# Altium PCB AVALON_hashunit.PcbDoc (part 3 of 5)
Units mm, origin at the board's own origin, x right, y up, seen from the top; angles counter-clockwise.
Board outline 138.43 x 38.1 mm, 4 copper layers (Top Layer, Mid-Layer 1, Mid-Layer 2, Bottom Layer); 220 components, 79 nets, 967 pads, 761 vias.
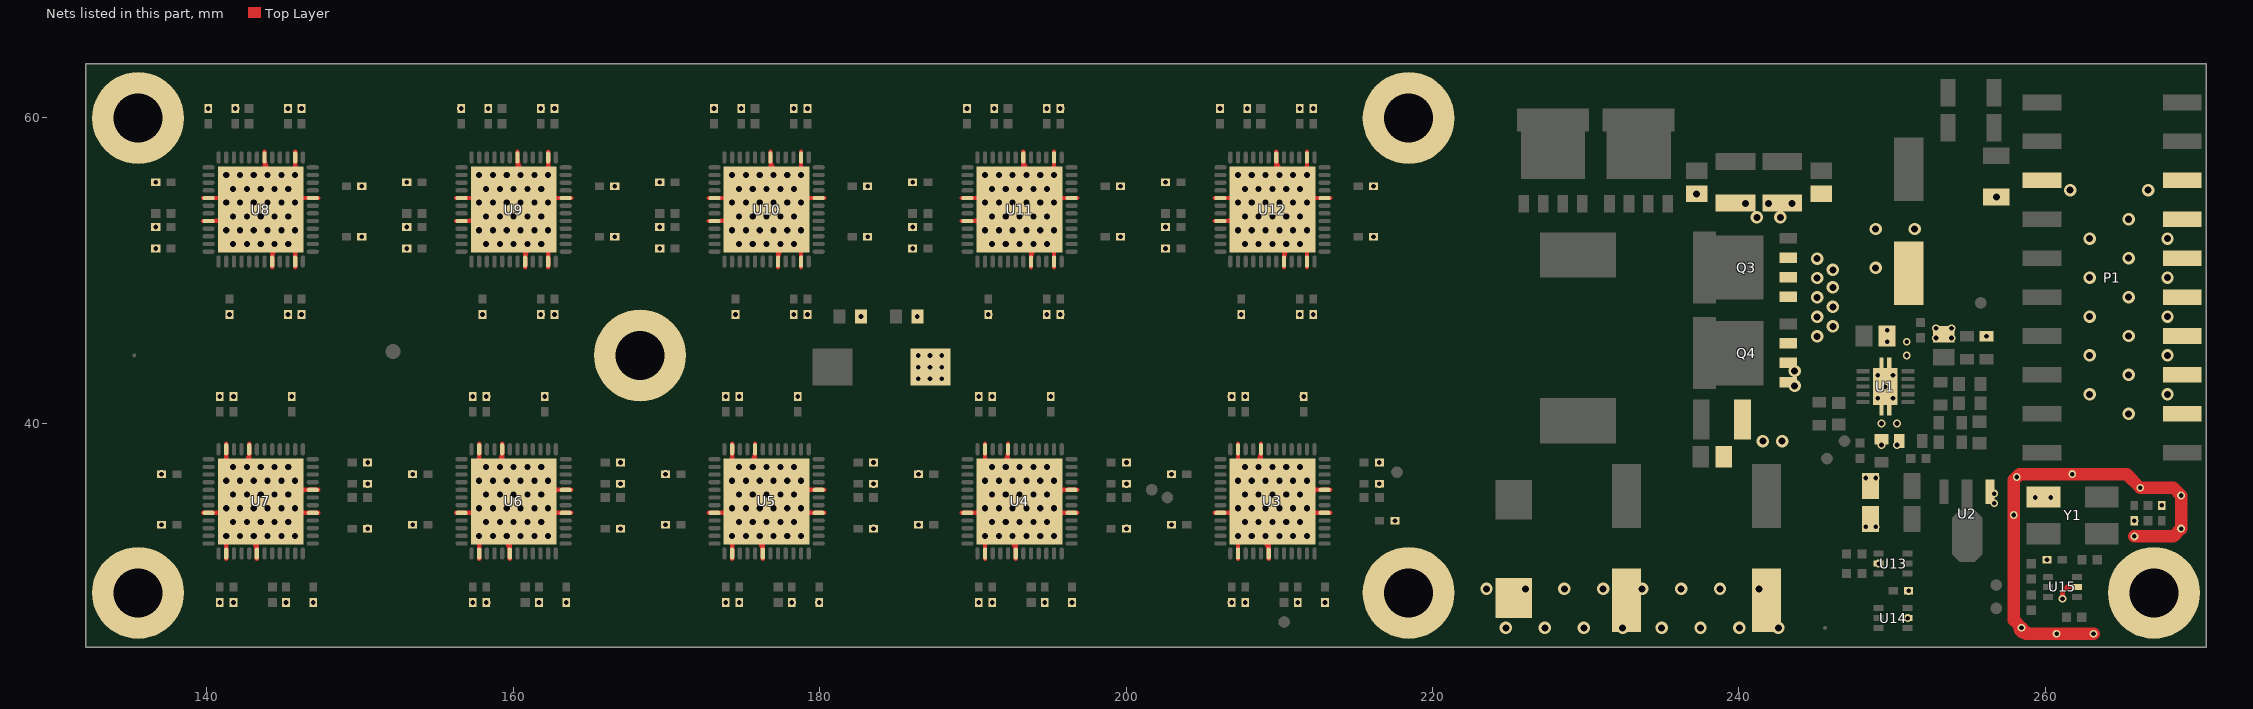
[diagram p5: the nets of this part, all layers, seen from the top]

## Via types
v1: diameter 0.8, hole 0.4, Top Layer to Bottom Layer, tented both sides, 330 vias
v2: diameter 0.508, hole 0.305, Top Layer to Bottom Layer, tented both sides, 258 vias
v3: diameter 0.813, hole 0.457, Top Layer to Bottom Layer, tented both sides, 88 vias
v4: diameter 0.508, hole 0.305, Top Layer to Bottom Layer, tented bottom, 80 vias
v5: diameter 0.6, hole 0.3, Top Layer to Bottom Layer, tented bottom, 5 vias

## Nets (pads, with @x,y where several pads share a name; then routed paths per layer and width w, separated by ;. In a path a pad name is that pad's centre, name@x,y a point inside that pad or via, vN(x,y) a via of type N, cw(c..) or ccw(c..) an arc to the next point about the centre after c; other vN are vias at no path point) (continued)
GND: C1.2 C2.1 C3.1 C4.1 C5.2 C6.1 C7.1 C8.1 C11.2 C12.2 C13.2 C14.1 C15.1 C17.1 C18.2 C20.1 C21.1 C22.2 C23.2 C24.2 C25.2 C26.2 C27.1 C28.2 C29.1 C30.2 C31.1 C32.2 C33.1 C34.1 C35.1 C36.1 C37.1 C38.2 C39.1 C40.2 C41.1 C42.2 C43.1 C44.2 C45.1 C46.2 C47.2 C48.2 C49.2 C50.1 C51.1 C52.1 C53.1 C54.2 C55.2 C56.2 C57.2 C58.1 C59.1 C60.1 C61.1 C62.1 C63.1 C64.1 C65.1 C66.1 C67.1 C68.1 C69.1 C70.2 C71.2 C72.2 C73.2 C74.2 C75.1 C76.2 C77.1 C78.2 C79.1 C80.2 C81.1 C82.1 C83.1 C84.1 C85.1 C86.2 C87.1 C88.2 C89.1 C90.2 C91.1 C92.2 C93.1 C94.2 C95.2 C96.2 C97.2 C98.1 C99.1 C100.1 C101.1 C102.2 C103.2 C104.2 C105.2 C106.1 C107.1 C108.1 C109.1 C110.1 C111.1 C112.1 C113.1 C114.1 C115.1 C116.1 C117.1 C118.2 C119.2 C120.2 C121.1 C122.2 C123.1 C124.1 C125.1 C126.1 C127.1 C128.2 C129.1 C130.2 C131.1 C132.2 C133.2 C134.2 C135.1 C136.1 C137.2 C138.2 C139.2 C140.1 C141.1 C142.1 C143.1 C144.1 C145.1 C146.1 P1.3 P1.5 P1.7 P1.9 P1.11 P1.13 P1.15 P1.16 pad.0 Q3.1 Q3.2 Q3.3 Q4.1 Q4.2 Q4.3 R6.1 R7.1 R10.1 U1.11 U2.1 U3.5 U3.8 U3.20 U3.23 U3.32 U3.38 U3.42 U3.49 U4.5 U4.8 U4.20 U4.23 U4.32 U4.38 U4.42 U4.49 U5.5 U5.8 U5.20 U5.23 U5.32 U5.38 U5.42 U5.49 U6.5 U6.8 U6.20 U6.23 U6.32 U6.38 U6.42 U6.49 U7.5 U7.8 U7.20 U7.23 U7.32 U7.38 U7.42 U7.49 U8.5 U8.8 U8.20 U8.23 U8.32 U8.38 U8.42 U8.49 U9.5 U9.8 U9.20 U9.23 U9.32 U9.38 U9.42 U9.49 U10.5 U10.8 U10.20 U10.23 U10.32 U10.38 U10.42 U10.49 U11.5 U11.8 U11.20 U11.23 U11.32 U11.38 U11.42 U11.49 U12.5 U12.8 U12.20 U12.23 U12.32 U12.38 U12.42 U12.49 U13.2 U14.2 U15.2 Y1.2 | length 647
  Top Layer w0.279: U7.32@139.985,34.175 142.76,34.175 cw(c142.76,34.516) U7.49@142.42,34.493 ; U8.8@139.985,53.225 142.76,53.225 cw(c142.76,54.229) U8.49@141.926,53.67 ; U8.5@139.985,54.725 142.76,54.725 ccw(c142.76,54.384) U8.49@142.42,54.407 ; U8.8@140.357,53.225 ccw(c140.357,54.878) U8.49@141.526,53.709 ; U7.49@140.784,34.172 ccw(c140.677,34.911) U7.49@141.275,34.464 ; U8.49@140.784,54.728 cw(c140.677,53.989) U8.49@141.275,54.436 ; U7.49@140.807,34.175 ccw(c140.807,35.828) U7.49@141.976,34.659 ; U8.49@140.807,54.725 cw(c140.807,53.072) U8.49@141.976,54.241 ; U8.49@141.032,53.225 ccw(c141.032,54.203) U8.49@141.724,53.511 ; U7.49@141.076,32.491 cw(c140.632,32.047) 141.26,32.047 cw(c141.888,32.047) U7.49@141.444,32.491 ; U8.49@141.234,53.222 ccw(c141.127,53.961) U8.49@141.725,53.514 ; U7.49@141.246,34.461 ccw(c141.938,35.153) U7.49@141.938,34.175 ; U8.49@141.246,54.439 cw(c141.938,53.747) U8.49@141.938,54.725 ; U8.49@141.257,53.225 ccw(c141.257,54.878) U8.49@142.426,53.709 ; U7.38@141.26,31.4 v1(141.26,32.675) ; U7.49@141.26,37.175 U7.23@141.26,38.45 ; U7.49@141.444,34.659 ccw(c142.613,35.828) U7.49@142.613,34.175 ; U8.49@141.444,54.241 cw(c142.613,53.072) U8.49@142.613,54.725 ; U7.49@141.446,34.657 ccw(c141.698,34.906) U7.49@141.879,34.601 ; U8.49@141.446,54.243 cw(c141.698,53.994) U8.49@141.879,54.299 ; U7.49@141.482,34.175 ccw(c141.482,35.153) U7.49@142.174,34.461 ; U8.49@141.482,54.725 cw(c141.482,53.747) U8.49@142.174,54.439 ; U7.49@141.684,34.172 ccw(c141.577,34.911) U7.49@142.175,34.464 ; U8.49@141.684,54.728 cw(c141.577,53.989) U8.49@142.175,54.436 ; U8.49@141.694,53.514 ccw(c142.236,53.878) U8.49@142.236,53.225 ; U7.49@141.707,34.175 ccw(c141.707,35.828) U7.49@142.876,34.659 ; U8.49@141.707,54.725 cw(c141.707,53.072) U8.49@142.876,54.241 ; U8.49@141.896,53.707 ccw(c142.148,53.956) U8.49@142.329,53.651 ; U8.49@141.932,53.225 ccw(c141.932,54.203) U8.49@142.624,53.511 ; U7.49@142.141,34.474 ccw(c142.461,34.496) U7.49@142.461,34.175 ; U8.49@142.141,54.426 cw(c142.461,54.404) U8.49@142.461,54.725 ; U7.49@142.346,34.657 ccw(c142.598,34.906) U7.49@142.779,34.601 ; U8.49@142.346,54.243 cw(c142.598,53.994) U8.49@142.779,54.299 ; U7.49@142.382,34.175 ccw(c142.382,35.153) U7.49@143.074,34.461 ; U8.49@142.382,54.725 cw(c142.382,53.747) U8.49@143.074,54.439 ; U7.49@142.426,35.559 ccw(c141.619,36.366) U7.49@142.76,36.366 ; U7.49@142.426,36.991 cw(c141.619,36.184) U7.49@142.76,36.184 ; U7.49@142.426,37.359 ccw(c141.619,38.166) U7.20@142.76,38.166 ; U7.49@142.608,35.8 cw(c143.314,35.611) U7.49@143.053,36.293 ; U7.49@142.608,36.75 ccw(c143.314,36.939) U7.49@143.053,36.257 ; U7.49@142.76,35.604 cw(c143.181,35.604) U7.49@143.106,36.019 ; U7.49@142.76,35.675 U7.20@142.76,38.45 ; U7.49@142.76,35.939 cw(c143.121,35.939) U7.49@143.057,36.294 ; U7.49@142.76,36.953 ccw(c143.738,36.953) U7.49@143.046,36.261 ; U7.49@142.76,37.628 ccw(c144.413,37.628) U7.49@143.244,36.459 ; U7.49@142.876,32.491 cw(c141.949,31.564) U7.42@143.26,31.564 ; U7.49@142.876,32.859 ccw(c141.949,33.786) U7.49@143.26,33.786 ; U7.49@142.876,34.291 cw(c141.949,33.364) U7.49@143.26,33.364 ; U7.49@142.93,32.9 ccw(c142.437,33.754) U7.49@143.389,33.499 ; U7.49@143.066,32.657 ccw(c142.892,33.21) U7.49@143.452,33.06 ; U7.49@143.065,34.493 cw(c142.931,34.027) U7.49@143.4,34.152 ; U7.49@143.074,32.661 ccw(c142.623,33.112) U7.49@143.26,33.112 ; U7.49@143.074,32.689 cw(c142.623,32.238) U7.49@143.26,32.238 ; U7.49@143.074,34.489 cw(c142.623,34.038) U7.49@143.26,34.038 ; U7.42@143.26,31.4 143.26,34.675 ccw(c144.44,34.675) U7.49@143.678,33.774 ; U7.49@143.26,32.343 cw(c144.742,32.343) U7.49@143.694,33.391 ; U7.49@143.26,33.018 cw(c144.067,33.018) U7.49@143.496,33.589 ; U7.49@143.26,34.073 ccw(c143.931,34.073) U7.49@143.498,33.56 ; U8.49@143.326,55.509 ccw(c142.278,56.557) U8.49@143.76,56.557 ; U8.49@143.338,55.129 cw(c142.518,54.197) U8.49@143.76,54.197 ; U8.49@143.523,55.339 cw(c143.061,54.815) U8.49@143.76,54.815 ; U8.49@143.524,55.311 ccw(c142.953,55.882) U8.49@143.76,55.882 ; U8.49@143.568,55.84 cw(c144.128,55.69) U8.49@143.954,56.243 ; U8.49@143.609,54.76 ccw(c144.096,54.89) U8.49@143.955,54.407 ; U8.49@143.631,55.401 cw(c144.583,55.146) U8.49@144.09,56 ; U8.49@143.65,55.223 ccw(c144.562,55.468) U8.49@144.09,54.65 ; U8.49@143.719,54.969 ccw(c144.111,55.074) U8.49@144.019,54.679 ; U8.49@143.76,54.225 U8.42@143.76,57.5 ; U8.49@143.76,54.862 ccw(c144.397,54.862) U8.49@143.946,54.411 ; U8.49@143.76,55.114 cw(c145.071,55.114) U8.49@144.144,56.041 ; U8.49@143.76,55.536 ccw(c145.071,55.536) U8.49@144.144,54.609 ; U8.49@143.76,55.788 cw(c144.397,55.788) U8.49@143.946,56.239 ; U8.49@143.76,56.662 ccw(c144.397,56.662) U8.49@143.946,56.211 ; U8.42@143.76,57.336 ccw(c145.071,57.336) U8.49@144.144,56.409 ; U8.49@143.776,52.441 cw(c142.607,51.272) U8.49@144.26,51.272 ; U8.49@143.942,52.885 ccw(c143.919,53.225) 144.26,53.225 U8.20@144.26,50.45 ; U7.49@143.946,34.461 ccw(c144.638,35.153) U7.49@144.638,34.175 ; U8.49@143.946,54.439 cw(c144.638,53.747) U8.49@144.638,54.725 ; U8.49@143.961,52.606 ccw(c143.939,52.926) U8.49@144.26,52.926 ; U8.49@143.967,52.607 ccw(c143.706,53.289) U8.49@144.412,53.1 ; U8.49@143.967,52.643 cw(c143.706,51.961) U8.49@144.412,52.15 ; U8.49@143.974,52.639 cw(c143.282,51.947) U8.49@144.26,51.947 ; U7.49@144.144,34.659 ccw(c145.313,35.828) U7.49@145.313,34.175 ; U8.49@144.144,54.241 cw(c145.313,53.072) U8.49@145.313,54.725 ; U7.49@144.241,34.601 ccw(c144.422,34.906) U7.49@144.674,34.657 ; U8.49@144.241,54.299 cw(c144.422,53.994) U8.49@144.674,54.243 ; U8.20@144.26,50.734 cw(c145.401,50.734) U8.49@144.594,51.541 ; U8.49@144.26,52.534 cw(c145.401,52.534) U8.49@144.594,53.341 ; U8.49@144.26,52.716 ccw(c145.401,52.716) U8.49@144.594,51.909 ; U7.49@144.396,35.389 cw(c145.088,34.697) U7.49@145.088,35.675 ; U7.49@144.407,34.175 ccw(c144.407,35.828) U7.49@145.576,34.659 ; U8.49@144.407,54.725 cw(c144.407,53.072) U8.49@145.576,54.241 ; U7.49@144.559,34.175 ccw(c144.559,34.496) U7.49@144.879,34.474 ; U8.49@144.559,54.725 cw(c144.559,54.404) U8.49@144.879,54.426 ; U7.49@144.594,35.191 cw(c145.763,34.022) U7.49@145.763,35.675 ; U7.49@144.6,34.493 cw(c144.26,34.516) 144.26,34.175 U7.5@147.035,34.175 ; U8.49@144.6,54.407 ccw(c144.26,54.384) 144.26,54.725 U8.32@147.035,54.725 ; U7.49@144.691,35.249 cw(c144.872,34.944) U7.49@145.124,35.193 ; U7.49@144.784,35.675 cw(c144.784,35.022) U7.49@145.326,35.386 ; U7.49@144.845,34.464 ccw(c145.443,34.911) U7.49@145.336,34.172 ; U8.49@144.845,54.436 cw(c145.443,53.989) U8.49@145.336,54.728 ; U7.49@144.846,34.461 ccw(c145.538,35.153) U7.49@145.538,34.175 ; U8.49@144.846,54.439 cw(c145.538,53.747) U8.49@145.538,54.725 ; U7.49@145.044,34.659 ccw(c146.213,35.828) U7.49@146.213,34.175 ; U8.49@145.044,54.241 cw(c146.213,53.072) U8.49@146.213,54.725 ; U7.49@145.082,34.175 ccw(c145.082,35.153) U7.49@145.774,34.461 ; U8.49@145.082,54.725 cw(c145.082,53.747) U8.49@145.774,54.439 ; U7.49@145.094,35.23 ccw(c144.26,34.671) 144.26,35.675 U7.8@147.035,35.675 ; U7.49@145.141,34.601 ccw(c145.322,34.906) U7.49@145.574,34.657 ; U8.49@145.141,54.299 cw(c145.322,53.994) U8.49@145.574,54.243 ; U7.49@145.295,35.386 cw(c145.893,34.939) U7.49@145.786,35.678 ; U7.49@145.296,35.389 cw(c145.988,34.697) U7.49@145.988,35.675 ; U7.49@145.494,35.191 cw(c146.663,34.022) U7.8@146.663,35.675 ; U8.49@145.576,56.409 ccw(c145.132,56.853) 145.76,56.853 ccw(c146.388,56.853) U8.49@145.944,56.409 ; U7.49@145.745,34.464 ccw(c146.343,34.911) U7.49@146.236,34.172 ; U8.49@145.745,54.436 cw(c146.343,53.989) U8.49@146.236,54.728 ; U8.23@145.76,50.45 U8.49@145.76,51.725 ; v1(145.76,56.225) U8.38@145.76,57.5 ; U6.32@156.495,34.175 159.27,34.175 cw(c159.27,34.516) U6.49@158.93,34.493 ; U9.8@156.495,53.225 159.27,53.225 cw(c159.27,54.229) U9.49@158.436,53.67 ; U9.5@156.495,54.725 159.27,54.725 ccw(c159.27,54.384) U9.49@158.93,54.407 ; U9.8@156.867,53.225 ccw(c156.867,54.878) U9.49@158.036,53.709 ; U6.49@157.294,34.172 ccw(c157.187,34.911) U6.49@157.785,34.464 ; U9.49@157.294,54.728 cw(c157.187,53.989) U9.49@157.785,54.436 ; U6.49@157.317,34.175 ccw(c157.317,35.828) U6.49@158.486,34.659 ; U9.49@157.317,54.725 cw(c157.317,53.072) U9.49@158.486,54.241 ; U9.49@157.542,53.225 ccw(c157.542,54.203) U9.49@158.234,53.511 ; U6.49@157.586,32.491 cw(c157.142,32.047) 157.77,32.047 cw(c158.398,32.047) U6.49@157.954,32.491 ; U9.49@157.744,53.222 ccw(c157.637,53.961) U9.49@158.235,53.514 ; U6.49@157.756,34.461 ccw(c158.448,35.153) U6.49@158.448,34.175 ; U9.49@157.756,54.439 cw(c158.448,53.747) U9.49@158.448,54.725 ; U9.49@157.767,53.225 ccw(c157.767,54.878) U9.49@158.936,53.709 ; U6.38@157.77,31.4 v1(157.77,32.675) ; U6.49@157.77,37.175 U6.23@157.77,38.45 ; U6.49@157.954,34.659 ccw(c159.123,35.828) U6.49@159.123,34.175 ; U9.49@157.954,54.241 cw(c159.123,53.072) U9.49@159.123,54.725 ; U6.49@157.956,34.657 ccw(c158.208,34.906) U6.49@158.389,34.601 ; U9.49@157.956,54.243 cw(c158.208,53.994) U9.49@158.389,54.299 ; U6.49@157.992,34.175 ccw(c157.992,35.153) U6.49@158.684,34.461 ; U9.49@157.992,54.725 cw(c157.992,53.747) U9.49@158.684,54.439 ; U6.49@158.194,34.172 ccw(c158.087,34.911) U6.49@158.685,34.464 ; U9.49@158.194,54.728 cw(c158.087,53.989) U9.49@158.685,54.436 ; U9.49@158.204,53.514 ccw(c158.746,53.878) U9.49@158.746,53.225 ; U6.49@158.217,34.175 ccw(c158.217,35.828) U6.49@159.386,34.659 ; U9.49@158.217,54.725 cw(c158.217,53.072) U9.49@159.386,54.241 ; U9.49@158.406,53.707 ccw(c158.658,53.956) U9.49@158.839,53.651 ; U9.49@158.442,53.225 ccw(c158.442,54.203) U9.49@159.134,53.511 ; U6.49@158.651,34.474 ccw(c158.971,34.496) U6.49@158.971,34.175 ; U9.49@158.651,54.426 cw(c158.971,54.404) U9.49@158.971,54.725 ; U6.49@158.856,34.657 ccw(c159.108,34.906) U6.49@159.289,34.601 ; U9.49@158.856,54.243 cw(c159.108,53.994) U9.49@159.289,54.299 ; U6.49@158.892,34.175 ccw(c158.892,35.153) U6.49@159.584,34.461 ; U9.49@158.892,54.725 cw(c158.892,53.747) U9.49@159.584,54.439 ; U6.49@158.936,35.559 ccw(c158.129,36.366) U6.49@159.27,36.366 ; U6.49@158.936,36.991 cw(c158.129,36.184) U6.49@159.27,36.184 ; U6.49@158.936,37.359 ccw(c158.129,38.166) U6.20@159.27,38.166 ; U6.49@159.118,35.8 cw(c159.824,35.611) U6.49@159.563,36.293 ; U6.49@159.118,36.75 ccw(c159.824,36.939) U6.49@159.563,36.257 ; U6.49@159.27,35.604 cw(c159.691,35.604) U6.49@159.616,36.019 ; U6.49@159.27,35.675 U6.20@159.27,38.45 ; U6.49@159.27,35.939 cw(c159.631,35.939) U6.49@159.567,36.294 ; U6.49@159.27,36.953 ccw(c160.248,36.953) U6.49@159.556,36.261 ; U6.49@159.27,37.628 ccw(c160.923,37.628) U6.49@159.754,36.459 ; U6.49@159.386,32.491 cw(c158.459,31.564) U6.42@159.77,31.564 ; U6.49@159.386,32.859 ccw(c158.459,33.786) U6.49@159.77,33.786 ; U6.49@159.386,34.291 cw(c158.459,33.364) U6.49@159.77,33.364 ; U6.49@159.44,32.9 ccw(c158.947,33.754) U6.49@159.899,33.499 ; U6.49@159.576,32.657 ccw(c159.402,33.21) U6.49@159.962,33.06 ; U6.49@159.575,34.493 cw(c159.441,34.027) U6.49@159.91,34.152 ; U6.49@159.584,32.661 ccw(c159.133,33.112) U6.49@159.77,33.112 ; U6.49@159.584,32.689 cw(c159.133,32.238) U6.49@159.77,32.238 ; U6.49@159.584,34.489 cw(c159.133,34.038) U6.49@159.77,34.038 ; U6.42@159.77,31.4 159.77,34.675 ccw(c160.95,34.675) U6.49@160.188,33.774 ; U6.49@159.77,32.343 cw(c161.252,32.343) U6.49@160.204,33.391 ; U6.49@159.77,33.018 cw(c160.577,33.018) U6.49@160.006,33.589 ; U6.49@159.77,34.073 ccw(c160.441,34.073) U6.49@160.008,33.56 ; U9.49@159.836,55.509 ccw(c158.788,56.557) U9.49@160.27,56.557 ; U9.49@159.848,55.129 cw(c159.028,54.197) U9.49@160.27,54.197 ; U9.49@160.033,55.339 cw(c159.571,54.815) U9.49@160.27,54.815 ; U9.49@160.034,55.311 ccw(c159.463,55.882) U9.49@160.27,55.882 ; U9.49@160.078,55.84 cw(c160.638,55.69) U9.49@160.464,56.243 ; U9.49@160.119,54.76 ccw(c160.606,54.89) U9.49@160.465,54.407 ; U9.49@160.141,55.401 cw(c161.093,55.146) U9.49@160.6,56 ; U9.49@160.16,55.223 ccw(c161.072,55.468) U9.49@160.6,54.65 ; U9.49@160.229,54.969 ccw(c160.621,55.074) U9.49@160.529,54.679 ; U9.49@160.27,54.225 U9.42@160.27,57.5 ; U9.49@160.27,54.862 ccw(c160.907,54.862) U9.49@160.456,54.411 ; U9.49@160.27,55.114 cw(c161.581,55.114) U9.49@160.654,56.041 ; U9.49@160.27,55.536 ccw(c161.581,55.536) U9.49@160.654,54.609 ; U9.49@160.27,55.788 cw(c160.907,55.788) U9.49@160.456,56.239 ; U9.49@160.27,56.662 ccw(c160.907,56.662) U9.49@160.456,56.211 ; U9.42@160.27,57.336 ccw(c161.581,57.336) U9.49@160.654,56.409 ; U9.49@160.286,52.441 cw(c159.117,51.272) U9.49@160.77,51.272 ; U9.49@160.452,52.885 ccw(c160.429,53.225) 160.77,53.225 U9.20@160.77,50.45 ; U6.49@160.456,34.461 ccw(c161.148,35.153) U6.49@161.148,34.175 ; U9.49@160.456,54.439 cw(c161.148,53.747) U9.49@161.148,54.725 ; U9.49@160.471,52.606 ccw(c160.449,52.926) U9.49@160.77,52.926 ; U9.49@160.477,52.607 ccw(c160.216,53.289) U9.49@160.922,53.1 ; U9.49@160.477,52.643 cw(c160.216,51.961) U9.49@160.922,52.15 ; U9.49@160.484,52.639 cw(c159.792,51.947) U9.49@160.77,51.947 ; U6.49@160.654,34.659 ccw(c161.823,35.828) U6.49@161.823,34.175 ; U9.49@160.654,54.241 cw(c161.823,53.072) U9.49@161.823,54.725 ; U6.49@160.751,34.601 ccw(c160.932,34.906) U6.49@161.184,34.657 ; U9.49@160.751,54.299 cw(c160.932,53.994) U9.49@161.184,54.243 ; U9.20@160.77,50.734 cw(c161.911,50.734) U9.49@161.104,51.541 ; U9.49@160.77,52.534 cw(c161.911,52.534) U9.49@161.104,53.341 ; U9.49@160.77,52.716 ccw(c161.911,52.716) U9.49@161.104,51.909 ; U6.49@160.906,35.389 cw(c161.598,34.697) U6.49@161.598,35.675 ; U6.49@160.917,34.175 ccw(c160.917,35.828) U6.49@162.086,34.659 ; U9.49@160.917,54.725 cw(c160.917,53.072) U9.49@162.086,54.241 ; U6.49@161.069,34.175 ccw(c161.069,34.496) U6.49@161.389,34.474 ; U9.49@161.069,54.725 cw(c161.069,54.404) U9.49@161.389,54.426 ; U6.49@161.104,35.191 cw(c162.273,34.022) U6.49@162.273,35.675 ; U6.49@161.11,34.493 cw(c160.77,34.516) 160.77,34.175 U6.5@163.545,34.175 ; U9.49@161.11,54.407 ccw(c160.77,54.384) 160.77,54.725 U9.32@163.545,54.725 ; U6.49@161.201,35.249 cw(c161.382,34.944) U6.49@161.634,35.193 ; U6.49@161.294,35.675 cw(c161.294,35.022) U6.49@161.836,35.386 ; U6.49@161.355,34.464 ccw(c161.953,34.911) U6.49@161.846,34.172 ; U9.49@161.355,54.436 cw(c161.953,53.989) U9.49@161.846,54.728 ; U6.49@161.356,34.461 ccw(c162.048,35.153) U6.49@162.048,34.175 ; U9.49@161.356,54.439 cw(c162.048,53.747) U9.49@162.048,54.725 ; U6.49@161.554,34.659 ccw(c162.723,35.828) U6.49@162.723,34.175 ; U9.49@161.554,54.241 cw(c162.723,53.072) U9.49@162.723,54.725 ; U6.49@161.592,34.175 ccw(c161.592,35.153) U6.49@162.284,34.461 ; U9.49@161.592,54.725 cw(c161.592,53.747) U9.49@162.284,54.439 ; U6.49@161.604,35.23 ccw(c160.77,34.671) 160.77,35.675 U6.8@163.545,35.675 ; U6.49@161.651,34.601 ccw(c161.832,34.906) U6.49@162.084,34.657 ; U9.49@161.651,54.299 cw(c161.832,53.994) U9.49@162.084,54.243 ; U6.49@161.805,35.386 cw(c162.403,34.939) U6.49@162.296,35.678 ; U6.49@161.806,35.389 cw(c162.498,34.697) U6.49@162.498,35.675 ; U6.49@162.004,35.191 cw(c163.173,34.022) U6.8@163.173,35.675 ; U9.49@162.086,56.409 ccw(c161.642,56.853) 162.27,56.853 ccw(c162.898,56.853) U9.49@162.454,56.409 ; U6.49@162.255,34.464 ccw(c162.853,34.911) U6.49@162.746,34.172 ; U9.49@162.255,54.436 cw(c162.853,53.989) U9.49@162.746,54.728 ; U9.23@162.27,50.45 U9.49@162.27,51.725 ; v1(162.27,56.225) U9.38@162.27,57.5 ; U5.32@173.005,34.175 175.78,34.175 cw(c175.78,34.516) U5.49@175.44,34.493 ; U10.8@173.005,53.225 175.78,53.225 cw(c175.78,54.229) U10.49@174.946,53.67 ; U10.5@173.005,54.725 175.78,54.725 ccw(c175.78,54.384) U10.49@175.44,54.407 ; U10.8@173.377,53.225 ccw(c173.377,54.878) U10.49@174.546,53.709 ; U5.49@173.804,34.172 ccw(c173.697,34.911) U5.49@174.295,34.464 ; U10.49@173.804,54.728 cw(c173.697,53.989) U10.49@174.295,54.436 ; U5.49@173.827,34.175 ccw(c173.827,35.828) U5.49@174.996,34.659 ; U10.49@173.827,54.725 cw(c173.827,53.072) U10.49@174.996,54.241 ; U10.49@174.052,53.225 ccw(c174.052,54.203) U10.49@174.744,53.511 ; U5.49@174.096,32.491 cw(c173.652,32.047) 174.28,32.047 cw(c174.908,32.047) U5.49@174.464,32.491 ; U10.49@174.254,53.222 ccw(c174.147,53.961) U10.49@174.745,53.514 ; U5.49@174.266,34.461 ccw(c174.958,35.153) U5.49@174.958,34.175 ; U10.49@174.266,54.439 cw(c174.958,53.747) U10.49@174.958,54.725 ; U10.49@174.277,53.225 ccw(c174.277,54.878) U10.49@175.446,53.709 ; U5.38@174.28,31.4 v1(174.28,32.675) ; U5.49@174.28,37.175 U5.23@174.28,38.45 ; U5.49@174.464,34.659 ccw(c175.633,35.828) U5.49@175.633,34.175 ; U10.49@174.464,54.241 cw(c175.633,53.072) U10.49@175.633,54.725 ; U5.49@174.466,34.657 ccw(c174.718,34.906) U5.49@174.899,34.601 ; U10.49@174.466,54.243 cw(c174.718,53.994) U10.49@174.899,54.299 ; U5.49@174.502,34.175 ccw(c174.502,35.153) U5.49@175.194,34.461 ; U10.49@174.502,54.725 cw(c174.502,53.747) U10.49@175.194,54.439 ; U5.49@174.704,34.172 ccw(c174.597,34.911) U5.49@175.195,34.464 ; U10.49@174.704,54.728 cw(c174.597,53.989) U10.49@175.195,54.436 ; U10.49@174.714,53.514 ccw(c175.256,53.878) U10.49@175.256,53.225 ; U5.49@174.727,34.175 ccw(c174.727,35.828) U5.49@175.896,34.659 ; U10.49@174.727,54.725 cw(c174.727,53.072) U10.49@175.896,54.241 ; U10.49@174.916,53.707 ccw(c175.168,53.956) U10.49@175.349,53.651 ; U10.49@174.952,53.225 ccw(c174.952,54.203) U10.49@175.644,53.511 ; U5.49@175.161,34.474 ccw(c175.481,34.496) U5.49@175.481,34.175 ; U10.49@175.161,54.426 cw(c175.481,54.404) U10.49@175.481,54.725 ; U5.49@175.366,34.657 ccw(c175.618,34.906) U5.49@175.799,34.601 ; U10.49@175.366,54.243 cw(c175.618,53.994) U10.49@175.799,54.299 ; U5.49@175.402,34.175 ccw(c175.402,35.153) U5.49@176.094,34.461 ; U10.49@175.402,54.725 cw(c175.402,53.747) U10.49@176.094,54.439 ; U5.49@175.446,35.559 ccw(c174.639,36.366) U5.49@175.78,36.366 ; U5.49@175.446,36.991 cw(c174.639,36.184) U5.49@175.78,36.184 ; U5.49@175.446,37.359 ccw(c174.639,38.166) U5.20@175.78,38.166 ; U5.49@175.628,35.8 cw(c176.334,35.611) U5.49@176.073,36.293 ; U5.49@175.628,36.75 ccw(c176.334,36.939) U5.49@176.073,36.257 ; U5.49@175.78,35.604 cw(c176.201,35.604) U5.49@176.126,36.019 ; U5.49@175.78,35.675 U5.20@175.78,38.45 ; U5.49@175.78,35.939 cw(c176.141,35.939) U5.49@176.077,36.294 ; U5.49@175.78,36.953 ccw(c176.758,36.953) U5.49@176.066,36.261 ; U5.49@175.78,37.628 ccw(c177.433,37.628) U5.49@176.264,36.459 ; U5.49@175.896,32.491 cw(c174.969,31.564) U5.42@176.28,31.564 ; U5.49@175.896,32.859 ccw(c174.969,33.786) U5.49@176.28,33.786 ; U5.49@175.896,34.291 cw(c174.969,33.364) U5.49@176.28,33.364 ; U5.49@175.95,32.9 ccw(c175.457,33.754) U5.49@176.409,33.499 ; U5.49@176.086,32.657 ccw(c175.912,33.21) U5.49@176.472,33.06 ; U5.49@176.085,34.493 cw(c175.951,34.027) U5.49@176.42,34.152 ; U5.49@176.094,32.661 ccw(c175.643,33.112) U5.49@176.28,33.112 ; U5.49@176.094,32.689 cw(c175.643,32.238) U5.49@176.28,32.238 ; U5.49@176.094,34.489 cw(c175.643,34.038) U5.49@176.28,34.038 ; U5.42@176.28,31.4 176.28,34.675 ccw(c177.46,34.675) U5.49@176.698,33.774 ; U5.49@176.28,32.343 cw(c177.762,32.343) U5.49@176.714,33.391 ; U5.49@176.28,33.018 cw(c177.087,33.018) U5.49@176.516,33.589 ; U5.49@176.28,34.073 ccw(c176.951,34.073) U5.49@176.518,33.56 ; U10.49@176.346,55.509 ccw(c175.298,56.557) U10.49@176.78,56.557 ; U10.49@176.358,55.129 cw(c175.538,54.197) U10.49@176.78,54.197 ; U10.49@176.543,55.339 cw(c176.081,54.815) U10.49@176.78,54.815 ; U10.49@176.544,55.311 ccw(c175.973,55.882) U10.49@176.78,55.882 ; U10.49@176.588,55.84 cw(c177.148,55.69) U10.49@176.974,56.243 ; U10.49@176.629,54.76 ccw(c177.116,54.89) U10.49@176.975,54.407 ; U10.49@176.651,55.401 cw(c177.603,55.146) U10.49@177.11,56 ; U10.49@176.67,55.223 ccw(c177.582,55.468) U10.49@177.11,54.65 ; U10.49@176.739,54.969 ccw(c177.131,55.074) U10.49@177.039,54.679 ; U10.49@176.78,54.225 U10.42@176.78,57.5 ; U10.49@176.78,54.862 ccw(c177.417,54.862) U10.49@176.966,54.411 ; U10.49@176.78,55.114 cw(c178.091,55.114) U10.49@177.164,56.041 ; U10.49@176.78,55.536 ccw(c178.091,55.536) U10.49@177.164,54.609 ; U10.49@176.78,55.788 cw(c177.417,55.788) U10.49@176.966,56.239 ; U10.49@176.78,56.662 ccw(c177.417,56.662) U10.49@176.966,56.211 ; U10.42@176.78,57.336 ccw(c178.091,57.336) U10.49@177.164,56.409 ; U10.49@176.796,52.441 cw(c175.627,51.272) U10.49@177.28,51.272 ; U10.49@176.962,52.885 